# KiCad board noraneko42l.kicad_pcb
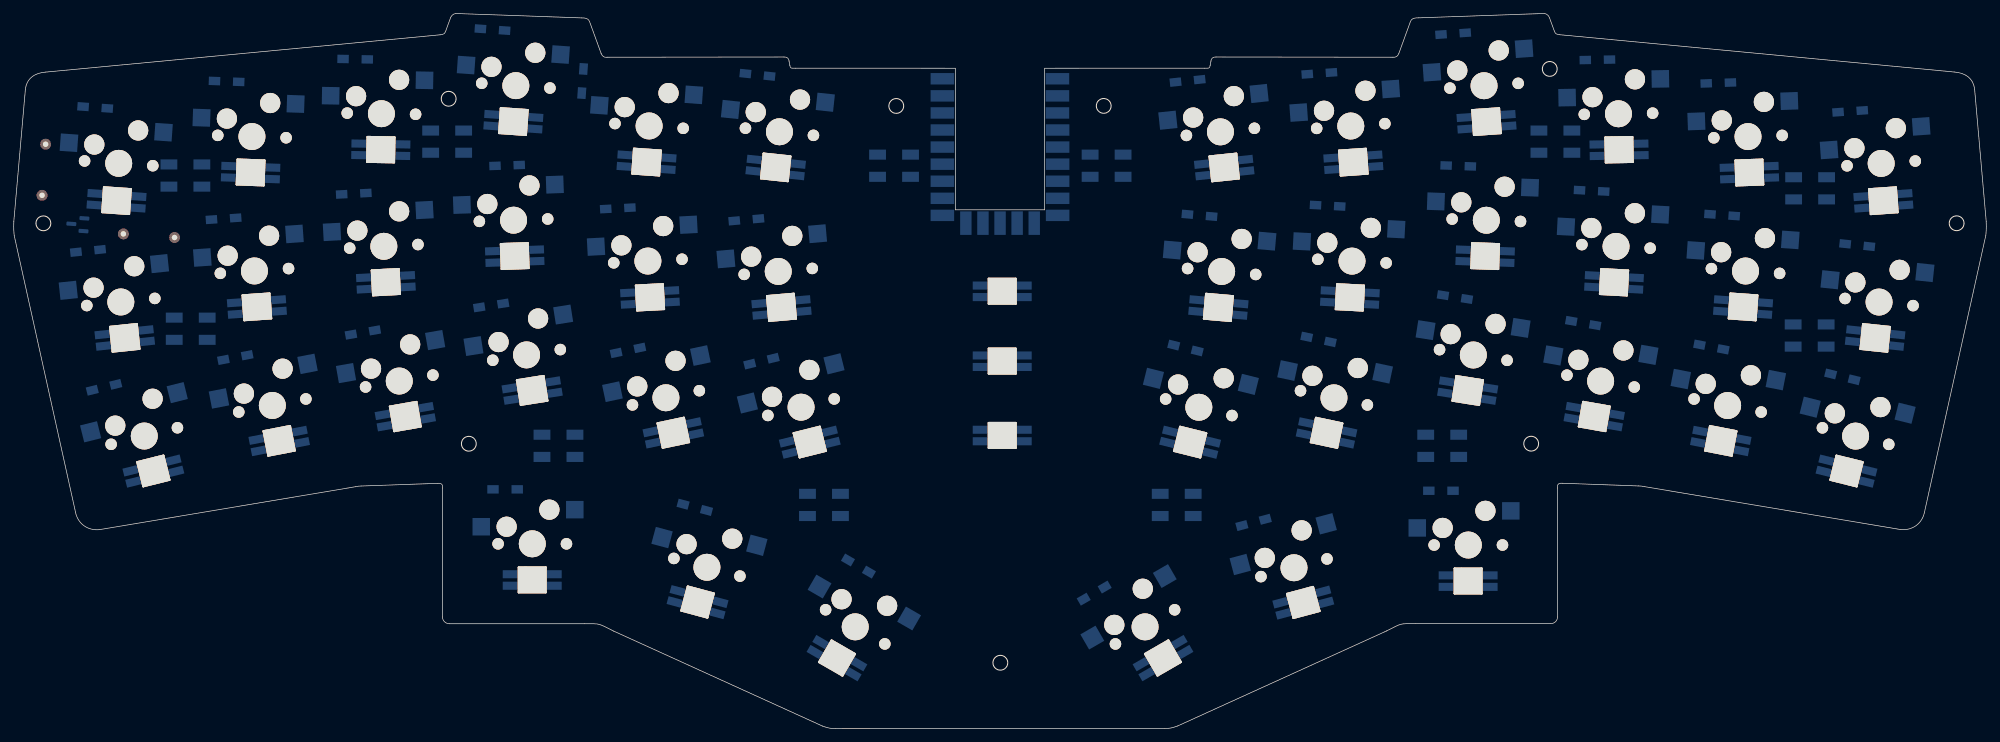
[diagram p0: board, top side]
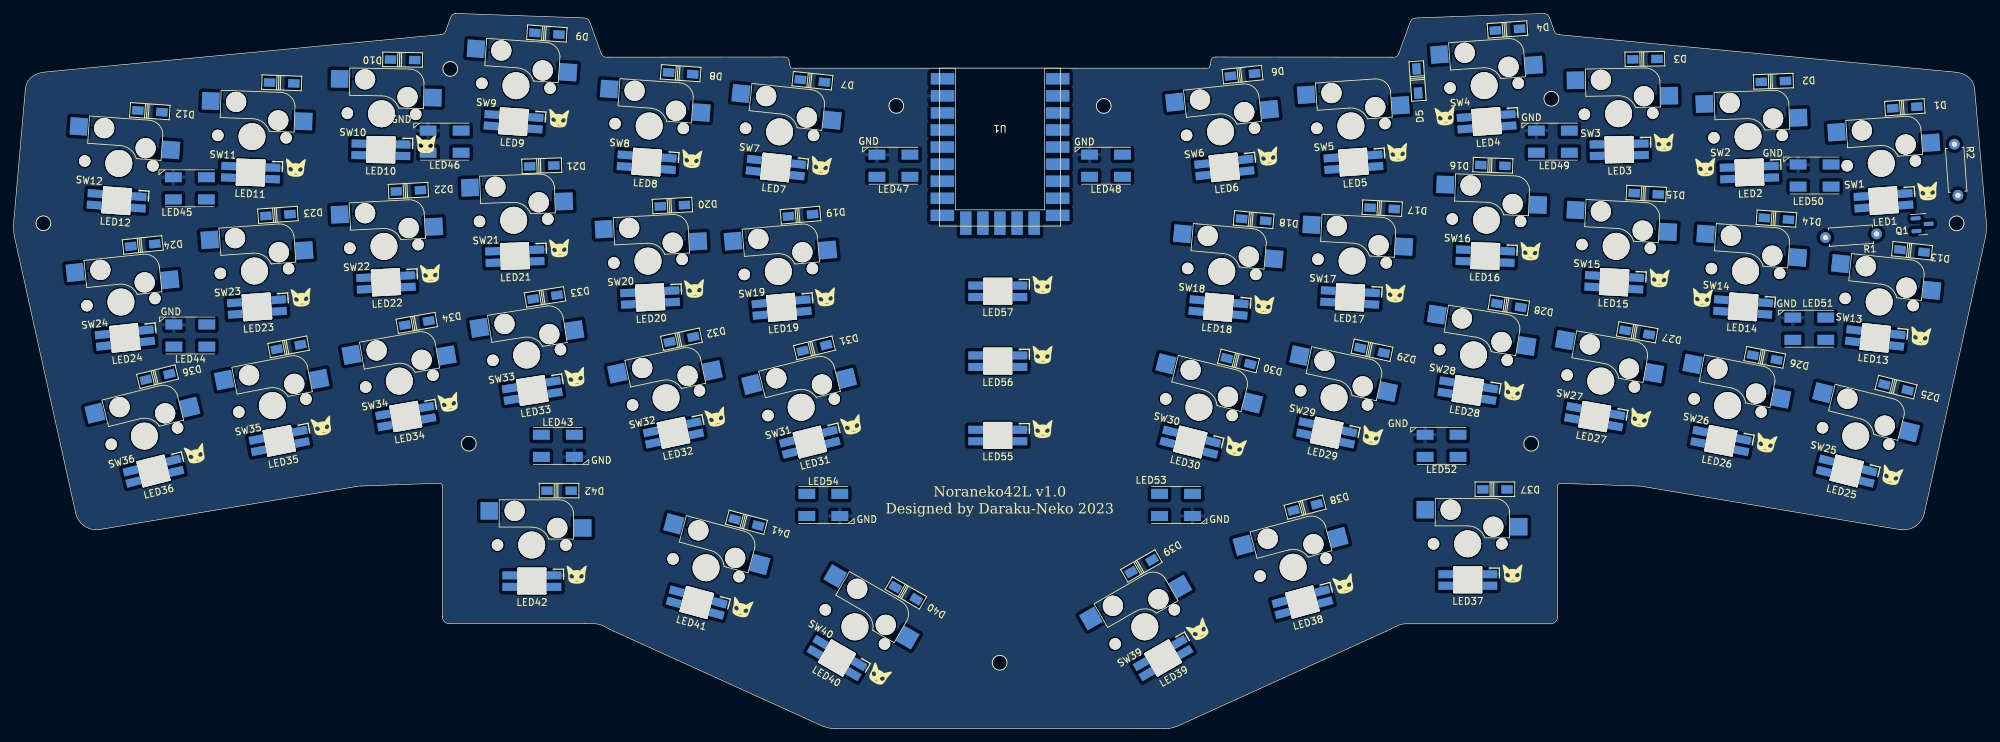
[diagram p1: board, bottom side, seen from below]

Outline 293.21 x 106.38 mm; copper layers: Top, Bottom. Coordinates in mm from the lower left corner of the outline.
Outline path: circle c4.45,75.16 r1.1 ; circle c64.67,93.69 r1.1 ; circle c67.67,42.37 r1.1 ; circle c131.19,92.62 r1.1 ; circle c146.66,9.79 r1.1 ; circle c162.02,92.63 r1.1 ; circle c225.54,42.38 r1.1 ; circle c228.3,98.13 r1.1 ; circle c288.76,75.17 r1.1 ; 1.77,95.07 0.05,75.42 ; 9.24,32.1 0.12,73.31 ; 12.74,29.59 50.8,35.97 ; 51.68,36.08 62.97,36.48 ; 63.41,103.2 4.75,97.65 ; 63.75,16.6 63.77,35.79 ; 64.97,105.78 64.22,103.73 ; 65.71,106.37 84.41,105.72 ; 84.87,15.6 64.75,15.6 ; 87.32,100.47 85.6,105.2 ; 88.2,99.87 114.51,99.9 ; 115.37,98.65 115.25,99.31 ; 120.2,0.38 89.19,14.5 ; 139.97,98.23 116.23,98.23 ; 171.05,0.02 122.15,0.01 ; 176.98,98.23 153.24,98.23 ; 177.96,99.31 177.84,98.65 ; 178.7,99.9 205.01,99.87 ; 204.01,14.51 173,0.39 ; 207.61,105.21 205.89,100.48 ; 208.8,105.73 227.5,106.38 ; 228.45,15.61 208.34,15.61 ; 228.99,103.74 228.24,105.79 ; 229.44,35.8 229.45,16.61 ; 230.24,36.49 241.53,36.09 ; 242.41,35.98 280.47,29.6 ; 288.46,97.66 229.8,103.21 ; 293.09,73.32 283.97,32.11 ; 293.16,75.43 291.44,95.08
Stack: Top 0.035mm / dielectric 1.51mm FR4 er 4.5 / Bottom 0.035mm

## Placement (name value [footprint] x y rotation side)
D1  D  [1N4148W]  12.15 92.39 176 bottom
D2  D  [1N4148W]  31.67 96.27 178 bottom
D3  D  [1N4148W]  50.78 99.58 179 bottom
D4  D  [1N4148W]  71.19 103.97 176 bottom
D5  D  [1N4148W]  84.58 96.33 266 bottom
D6  D  [1N4148W]  110.56 97.25 174 bottom
D7  D  [1N4148W]  174.48 96.35 186 bottom
D8  D  [1N4148W]  194.06 97.47 184 bottom
D9  D  [1N4148W]  213.94 103.37 184 bottom
D10  D  [1N4148W]  235.38 99.48 181 bottom
D11  D  [1N4148W]  253.35 96.04 182 bottom
D12  D  [1N4148W]  272.94 91.82 184 bottom
D13  D  [1N4148W]  11.08 71.06 186 bottom
D14  D  [1N4148W]  31.22 75.84 184 bottom
D15  D  [1N4148W]  50.57 79.56 183 bottom
D16  D  [1N4148W]  73.36 83.77 182 bottom
D17  D  [1N4148W]  89.81 77.39 183 bottom
D18  D  [1N4148W]  108.91 75.68 185 bottom
D19  D  [1N4148W]  176.25 76.35 175 bottom
D20  D  [1N4148W]  195.29 77.78 177 bottom
D21  D  [1N4148W]  214.7 83.7 178 bottom
D22  D  [1N4148W]  234.52 80 177 bottom
D23  D  [1N4148W]  253.91 76.39 176 bottom
D24  D  [1N4148W]  273.99 71.92 174 bottom
D25  D  [1N4148W]  13.46 50.77 194 bottom
D26  D  [1N4148W]  32.96 55.2 191 bottom
D27  D  [1N4148W]  51.92 58.92 190 bottom
D28  D  [1N4148W]  70.99 62.95 189 bottom
D29  D  [1N4148W]  91.32 56.26 192 bottom
D30  D  [1N4148W]  111.16 54.66 194 bottom
D31  D  [1N4148W]  174.17 56.61 166 bottom
D32  D  [1N4148W]  193.94 57.89 168 bottom
D33  D  [1N4148W]  214.21 64.19 171 bottom
D34  D  [1N4148W]  233.27 60.32 170 bottom
D35  D  [1N4148W]  252.32 56.76 169 bottom
D36  D  [1N4148W]  271.79 52.32 166 bottom
D37  D  [1N4148W]  73.06 35.58 180 bottom
D38  D  [1N4148W]  101.25 32.91 165 bottom
D39  D  [1N4148W]  125.57 24.17 150 bottom
D40  D  [1N4148W]  160.6 20.15 210 bottom
D41  D  [1N4148W]  184.29 30.67 195 bottom
D42  D  [1N4148W]  212.13 35.38 180 bottom
LED1  SK6812MINI-E  [SK6812MINI-E#2]  15.32 78.53 356 bottom
LED2  -  [SK6812MINI-E]  35.24 82.72 358 bottom
LED3  -  [SK6812MINI-E]  54.59 86.12 359 bottom
LED4  SK6812MINI-E  [SK6812MINI-E#2]  74.29 90.29 356 bottom
LED5  SK6812MINI-E  [SK6812MINI-E#2]  94.08 84.27 356 bottom
LED6  -  [SK6812MINI-E]  113.27 83.48 354 bottom
LED7  -  [SK6812MINI-E]  179.92 83.47 6 bottom
LED8  SK6812MINI-E  [SK6812MINI-E#2]  199.11 84.26 4 bottom
LED9  SK6812MINI-E  [SK6812MINI-E#2]  218.9 90.28 4 bottom
LED10  -  [SK6812MINI-E]  238.6 86.11 1 bottom
LED11  -  [SK6812MINI-E]  257.96 82.71 2 bottom
LED12  SK6812MINI-E  [SK6812MINI-E#2]  277.87 78.52 4 bottom
LED13  -  [SK6812MINI-E]  16.54 58.12 6 bottom
LED14  SK6812MINI-E  [SK6812MINI-E#2]  36.17 62.73 4 bottom
LED15  -  [SK6812MINI-E]  55.34 66.4 3 bottom
LED16  -  [SK6812MINI-E]  74.49 70.29 2 bottom
LED17  -  [SK6812MINI-E]  94.59 64.15 3 bottom
LED18  -  [SK6812MINI-E]  114.13 62.66 5 bottom
LED19  -  [SK6812MINI-E]  179.06 62.65 355 bottom
LED20  -  [SK6812MINI-E]  198.6 64.14 357 bottom
LED21  -  [SK6812MINI-E]  218.7 70.28 358 bottom
LED22  -  [SK6812MINI-E]  237.85 66.39 357 bottom
LED23  SK6812MINI-E  [SK6812MINI-E#2]  257.03 62.72 356 bottom
LED24  -  [SK6812MINI-E]  276.65 58.11 354 bottom
LED25  -  [SK6812MINI-E]  20.79 38.32 14 bottom
LED26  -  [SK6812MINI-E]  39.48 42.8 11 bottom
LED27  -  [SK6812MINI-E]  58.23 46.41 10 bottom
LED28  -  [SK6812MINI-E]  77.08 50.3 9 bottom
LED29  -  [SK6812MINI-E]  98.06 44 12 bottom
LED30  -  [SK6812MINI-E]  118.33 42.62 14 bottom
LED31  -  [SK6812MINI-E]  174.86 42.61 346 bottom
LED32  -  [SK6812MINI-E]  195.13 43.99 348 bottom
LED33  -  [SK6812MINI-E]  216.11 50.29 351 bottom
LED34  -  [SK6812MINI-E]  234.91 46.42 350 bottom
LED35  -  [SK6812MINI-E]  253.72 42.79 349 bottom
LED36  -  [SK6812MINI-E]  272.4 38.31 346 bottom
LED37  -  [SK6812MINI-E]  77.09 22.12 0 bottom
LED38  -  [SK6812MINI-E]  101.66 18.82 345 bottom
LED39  -  [SK6812MINI-E]  122.38 10.49 330 bottom
LED40  -  [SK6812MINI-E]  170.82 10.5 30 bottom
LED41  -  [SK6812MINI-E]  191.67 18.76 15 bottom
LED42  -  [SK6812MINI-E]  216.17 21.95 0 bottom
LED43  SK6812MINI-E  [WS2812B_PLCC4_5.0x5.0mm]  212.32 42.06 180 bottom
LED44  SK6812MINI-E  [WS2812B_PLCC4_5.0x5.0mm]  266.92 58.47 0 bottom
LED45  SK6812MINI-E  [WS2812B_PLCC4_5.0x5.0mm]  266.99 80.37 0 bottom
LED46  SK6812MINI-E  [WS2812B_PLCC4_5.0x5.0mm]  229.14 87.31 0 bottom
LED47  SK6812MINI-E  [WS2812B_PLCC4_5.0x5.0mm]  162.45 83.73 0 bottom
LED48  SK6812MINI-E  [WS2812B_PLCC4_5.0x5.0mm]  130.86 83.73 0 bottom
LED49  SK6812MINI-E  [WS2812B_PLCC4_5.0x5.0mm]  64.45 87.31 0 bottom
LED50  SK6812MINI-E  [WS2812B_PLCC4_5.0x5.0mm]  25.55 82.27 0 bottom
LED51  SK6812MINI-E  [WS2812B_PLCC4_5.0x5.0mm]  26.34 59.48 0 bottom
LED52  SK6812MINI-E  [WS2812B_PLCC4_5.0x5.0mm]  80.99 42.06 0 bottom
LED53  SK6812MINI-E  [WS2812B_PLCC4_5.0x5.0mm]  120.44 33.27 180 bottom
LED54  SK6812MINI-E  [WS2812B_PLCC4_5.0x5.0mm]  172.86 33.27 180 bottom
LED55  -  [SK6812MINI-E]  146.93 43.61 0 bottom
LED56  -  [SK6812MINI-E]  146.93 54.66 0 bottom
LED57  -  [SK6812MINI-E]  146.93 65.06 0 bottom
Q1  BSS138  [SOT-23]  9.54 75.02 176 bottom
R1  10K  [R_Axial_DIN0207_L6.3mm_D2.5mm_P7.62mm_Horizontal]  16.34 73.58 356 bottom
R2  10K  [R_Axial_DIN0207_L6.3mm_D2.5mm_P7.62mm_Horizontal]  4.78 86.93 266 bottom
SW1  SW_Push  [MX_Socket]  15.64 84.08 356 top
SW2  SW_Push  [MX_Socket]  35.44 88.07 358 top
SW3  SW_Push  [MX_Socket]  54.68 91.47 359 top
SW4  SW_Push  [MX_Socket]  74.66 95.64 356 top
SW5  SW_Push  [MX_Socket]  94.46 89.65 356 top
SW6  SW_Push  [MX_Socket]  113.83 88.78 354 top
SW7  SW_Push  [MX_Socket]  179.36 88.77 6 top
SW8  SW_Push  [MX_Socket]  198.73 89.63 4 top
SW9  SW_Push  [MX_Socket]  218.54 95.63 4 top
SW10  SW_Push  [MX_Socket]  238.51 91.46 1 top
SW11  SW_Push  [MX_Socket]  257.76 88.06 2 top
SW12  SW_Push  [MX_Socket]  277.55 84.07 4 top
SW13  SW_Push  [MX_Socket]  15.95 63.46 6 top
SW14  SW_Push  [MX_Socket]  35.81 68.07 4 top
SW15  SW_Push  [MX_Socket]  55.04 71.74 3 top
SW16  SW_Push  [MX_Socket]  74.32 75.63 2 top
SW17  SW_Push  [MX_Socket]  94.28 69.55 3 top
SW18  SW_Push  [MX_Socket]  113.65 68 5 top
SW19  SW_Push  [MX_Socket]  179.54 67.99 355 top
SW20  SW_Push  [MX_Socket]  198.91 69.54 357 top
SW21  SW_Push  [MX_Socket]  218.87 75.62 358 top
SW22  SW_Push  [MX_Socket]  238.15 71.73 357 top
SW23  SW_Push  [MX_Socket]  257.39 68.07 356 top
SW24  SW_Push  [MX_Socket]  277.24 63.45 354 top
SW25  SW_Push  [MX_Socket]  19.44 43.52 14 top
SW26  SW_Push  [MX_Socket]  38.47 48.06 11 top
SW27  SW_Push  [MX_Socket]  57.33 51.7 10 top
SW28  SW_Push  [MX_Socket]  76.25 55.58 9 top
SW29  SW_Push  [MX_Socket]  96.96 49.21 12 top
SW30  SW_Push  [MX_Socket]  117.04 47.81 14 top
SW31  SW_Push  [MX_Socket]  176.15 47.8 346 top
SW32  SW_Push  [MX_Socket]  196.23 49.2 348 top
SW33  SW_Push  [MX_Socket]  216.94 55.57 351 top
SW34  SW_Push  [MX_Socket]  235.86 51.69 350 top
SW35  SW_Push  [MX_Socket]  254.73 48.05 349 top
SW36  SW_Push  [MX_Socket]  273.75 43.51 346 top
SW37  SW_Push  [MX_Socket_1.25U]  77.1 27.48 0 top
SW38  SW_Push  [MX_Socket_1.25U]  103.05 23.99 345 top
SW39  SW_Push  [MX_Socket]  125.09 15.13 330 top
SW40  SW_Push  [MX_Socket]  168.16 15.13 30 top
SW41  SW_Push  [MX_Socket_1.25U]  190.29 23.92 15 top
SW42  SW_Push  [MX_Socket_1.25U]  216.2 27.3 0 top
U1  RP2040-Zero  [RP2040-Zero-SMD]  146.61 87.25 180 bottom

## Library data of the parts
D1-D42 = -: Description: Diode, small symbol; LCSC: C81598; Sim.Pins: 1=K 2=A
LED43-LED45 = -: Field5: 1
LED46-LED54 = -: LCSC: C2843785; Field5: 1
LED57 = -: LCSC: C2843785
Q1 = -: Description: 50V Vds, 0.22A Id, N-Channel MOSFET, SOT-23; LCSC: C2874697
R1 R2 = -: Description: Resistor
SW1-SW42 = -: Description: Push button switch, generic, two pins

## Footprints (pads in the part's own frame, mm; a bottom-side part is the same pattern mirrored in y, then rotated)
1N4148W
  rect 1.7x1.25 smd: 1(-1.8,0) 2(1.8,0)
MX_Socket
  round 1.7 hole 1.7 unplated: (-5.081,-0.001) (5.079,-0.001)
  round 3 hole 3 unplated: (-3.811,2.539) (2.539,5.079)
  round 4 hole 4 unplated: (0,0)
  rect 2.6x2.6 smd far side: 1(6.314,5.079) 2(-7.586,2.539)
MX_Socket_1.25U
  round 1.7 hole 1.7 unplated: (-5.081,-0.001) (5.079,-0.001)
  round 3 hole 3 unplated: (-3.811,2.539) (2.539,5.079)
  round 4 hole 4 unplated: (0,0)
  rect 2.6x2.6 smd far side: 1(6.314,5.079) 2(-7.586,2.539)
R_Axial_DIN0207_L6.3mm_D2.5mm_P7.62mm_Horizontal
  round 1.6 hole 0.8: 1(0,0)
  oval 1.6x1.6 hole 0.8: 2(7.62,0)
RP2040-Zero-SMD
  rect 3.5x1.7 smd: 0(9.47,9.41) 1(9.47,6.87) 2(9.47,4.33) 3(9.47,1.79) 4(9.47,-0.75) 5(9.47,-3.29) 6(9.47,-5.83) 7(9.47,-8.37) 8(9.47,-10.91) 14(-9.46,-10.91) 15(-9.46,-8.37) 26(-9.46,-5.83) 27(-9.46,-3.29) 28(-9.46,-0.75) 29(-9.46,1.79) 30(-9.43,4.33) 31(-9.43,6.87) 32(-9.43,9.41)
  rect 1.7x3.5 smd: 9(5.08,-12.96) 10(2.54,-12.96) 11(0,-12.96) 12(-2.54,-12.96) 13(-5.08,-12.96)
SK6812MINI-E
  oval 0.3x4 hole 0.3x4 unplated: (-2,0) (2,0)
  oval 1x3.8 hole 1x3.8 unplated: (-1.47,0) (-1,-0.05) (-0.43,-0.01) (0.3,-0.02) (0.93,-0.02) (1.5,0.02)
  oval 4.3x0.3 hole 4.3x0.3 unplated: (0,-1.86) (0,1.85)
  rect 2.2x1.2 smd: 1(3.28,0.87) 2(3.28,-0.843) 3(-3.28,-0.843) 4(-3.28,0.87)
SK6812MINI-E#2
  oval 0.3x4 hole 0.3x4 unplated: (-2,0) (2,0)
  oval 1x3.8 hole 1x3.8 unplated: (-1.47,0) (-1,-0.05) (-0.43,-0.01) (0.3,-0.02) (0.93,-0.02) (1.5,0.02)
  oval 4.3x0.3 hole 4.3x0.3 unplated: (0,-1.86) (0,1.85)
  rect 2.2x1.2 smd: 1(3.28,0.87) 2(3.28,-0.843) 3(-3.28,-0.843) 4(-3.28,0.87)
SOT-23
  rrect 1.475x0.6 smd: 1(-0.938,0.95) 2(-0.938,-0.95) 3(0.938,0)
WS2812B_PLCC4_5.0x5.0mm
  rect 2.5x1.5 smd: 1(-2.45,1.65) 2(-2.45,-1.65) 3(2.45,-1.65) 4(2.45,1.65)

## Nets
+3.3V: Q1.1 R1.1 U1.30
+5V: LED1.1 LED2.1 LED3.1 LED4.1 LED5.1 LED6.1 LED7.1 LED8.1 LED9.1 LED10.1 LED11.1 LED12.1 LED13.1 LED14.1 LED15.1 LED16.1 LED17.1 LED18.1 LED19.1 LED20.1 LED21.1 LED22.1 LED23.1 LED24.1 LED25.1 LED26.1 LED27.1 LED28.1 LED29.1 LED30.1 LED31.1 LED32.1 LED33.1 LED34.1 LED35.1 LED36.1 LED37.1 LED38.1 LED39.1 LED40.1 LED41.1 LED42.1 LED43.1 LED44.1 LED45.1 LED46.1 LED47.1 LED48.1 LED49.1 LED50.1 LED51.1 LED52.1 LED53.1 LED54.1 LED55.1 LED56.1 LED57.1 R2.1 U1.32
GND: LED1.3 LED2.3 LED3.3 LED4.3 LED5.3 LED6.3 LED7.3 LED8.3 LED9.3 LED10.3 LED11.3 LED12.3 LED13.3 LED14.3 LED15.3 LED16.3 LED17.3 LED18.3 LED19.3 LED20.3 LED21.3 LED22.3 LED23.3 LED24.3 LED25.3 LED26.3 LED27.3 LED28.3 LED29.3 LED30.3 LED31.3 LED32.3 LED33.3 LED34.3 LED35.3 LED36.3 LED37.3 LED38.3 LED39.3 LED40.3 LED41.3 LED42.3 LED43.3 LED44.3 LED45.3 LED46.3 LED47.3 LED48.3 LED49.3 LED50.3 LED51.3 LED52.3 LED53.3 LED54.3 LED55.3 LED56.3 LED57.3 U1.31
COL0: SW1.1 SW13.1 SW25.1 U1.1
COL1: SW2.1 SW14.1 SW26.1 U1.2
COL2: SW3.1 SW15.1 SW27.1 U1.3
COL3: SW4.1 SW16.1 SW28.1 SW37.1 U1.4
COL4: SW5.1 SW17.1 SW29.1 SW38.1 U1.5
COL5: SW6.1 SW18.1 SW30.1 SW39.1 U1.6
COL6: SW7.1 SW19.1 SW31.1 SW40.1 U1.7
COL7: SW8.1 SW20.1 SW32.1 SW41.1 U1.8
COL8: SW9.1 SW21.1 SW33.1 SW42.1 U1.9
COL9: SW10.1 SW22.1 SW34.1 U1.10
COL10: SW11.1 SW23.1 SW35.1 U1.11
COL11: SW12.1 SW24.1 SW36.1 U1.12
LED3.3V: Q1.2 R1.2 U1.0
LED5V: LED1.4 Q1.3 R2.2
ROW0: D1.1 D2.1 D3.1 D4.1 D5.1 D6.1 D7.1 D8.1 D9.1 D10.1 D11.1 D12.1 U1.15
ROW1: D13.1 D14.1 D15.1 D16.1 D17.1 D18.1 D19.1 D20.1 D21.1 D22.1 D23.1 D24.1 U1.26
ROW2: D25.1 D26.1 D27.1 D28.1 D29.1 D30.1 D31.1 D32.1 D33.1 D34.1 D35.1 D36.1 U1.27
ROW3: D37.1 D38.1 D39.1 D40.1 D41.1 D42.1 U1.28
Net-(D1-A): D1.2 SW1.2
Net-(D2-A): D2.2 SW2.2
Net-(D3-A): D3.2 SW3.2
Net-(D4-A): D4.2 SW4.2
Net-(D5-A): D5.2 SW5.2
Net-(D6-A): D6.2 SW6.2
Net-(D7-A): D7.2 SW7.2
Net-(D8-A): D8.2 SW8.2
Net-(D9-A): D9.2 SW9.2
Net-(D10-A): D10.2 SW10.2
Net-(D11-A): D11.2 SW11.2
Net-(D12-A): D12.2 SW12.2
Net-(D13-A): D13.2 SW13.2
Net-(D14-A): D14.2 SW14.2
Net-(D15-A): D15.2 SW15.2
Net-(D16-A): D16.2 SW16.2
Net-(D17-A): D17.2 SW17.2
Net-(D18-A): D18.2 SW18.2
Net-(D19-A): D19.2 SW19.2
Net-(D20-A): D20.2 SW20.2
Net-(D21-A): D21.2 SW21.2
Net-(D22-A): D22.2 SW22.2
Net-(D23-A): D23.2 SW23.2
Net-(D24-A): D24.2 SW24.2
Net-(D25-A): D25.2 SW25.2
Net-(D26-A): D26.2 SW26.2
Net-(D27-A): D27.2 SW27.2
Net-(D28-A): D28.2 SW28.2
Net-(D29-A): D29.2 SW29.2
Net-(D30-A): D30.2 SW30.2
Net-(D31-A): D31.2 SW31.2
Net-(D32-A): D32.2 SW32.2
Net-(D33-A): D33.2 SW33.2
Net-(D34-A): D34.2 SW34.2
Net-(D35-A): D35.2 SW35.2
Net-(D36-A): D36.2 SW36.2
Net-(D37-A): D37.2 SW37.2
Net-(D38-A): D38.2 SW38.2
Net-(D39-A): D39.2 SW39.2
Net-(D40-A): D40.2 SW40.2
Net-(D41-A): D41.2 SW41.2
Net-(D42-A): D42.2 SW42.2
Net-(LED1-DOUT): LED1.2 LED2.4
Net-(LED2-DOUT): LED2.2 LED3.4
Net-(LED3-DOUT): LED3.2 LED4.4
Net-(LED4-DOUT): LED4.2 LED5.4
Net-(LED5-DOUT): LED5.2 LED6.4
Net-(LED6-DOUT): LED6.2 LED7.4
Net-(LED7-DOUT): LED7.2 LED8.4
Net-(LED8-DOUT): LED8.2 LED9.4
Net-(LED10-DIN): LED9.2 LED10.4
Net-(LED10-DOUT): LED10.2 LED11.4
Net-(LED11-DOUT): LED11.2 LED12.4
Net-(LED12-DOUT): LED12.2 LED13.4
Net-(LED13-DOUT): LED13.2 LED14.4
Net-(LED14-DOUT): LED14.2 LED15.4
Net-(LED15-DOUT): LED15.2 LED16.4
Net-(LED16-DOUT): LED16.2 LED17.4
Net-(LED17-DOUT): LED17.2 LED18.4
Net-(LED18-DOUT): LED18.2 LED19.4
Net-(LED19-DOUT): LED19.2 LED20.4
Net-(LED20-DOUT): LED20.2 LED21.4
Net-(LED21-DOUT): LED21.2 LED22.4
Net-(LED22-DOUT): LED22.2 LED23.4
Net-(LED23-DOUT): LED23.2 LED24.4
Net-(LED24-DOUT): LED24.2 LED25.4
Net-(LED25-DOUT): LED25.2 LED26.4
Net-(LED26-DOUT): LED26.2 LED27.4
Net-(LED27-DOUT): LED27.2 LED28.4
Net-(LED28-DOUT): LED28.2 LED29.4
Net-(LED29-DOUT): LED29.2 LED30.4
Net-(LED30-DOUT): LED30.2 LED31.4
Net-(LED31-DOUT): LED31.2 LED32.4
Net-(LED32-DOUT): LED32.2 LED33.4
Net-(LED33-DOUT): LED33.2 LED34.4
Net-(LED34-DOUT): LED34.2 LED35.4
Net-(LED35-DOUT): LED35.2 LED36.4
Net-(LED36-DOUT): LED36.2 LED37.4
Net-(LED37-DOUT): LED37.2 LED38.4
Net-(LED38-DOUT): LED38.2 LED39.4
Net-(LED39-DOUT): LED39.2 LED40.4
Net-(LED40-DOUT): LED40.2 LED41.4
Net-(LED41-DOUT): LED41.2 LED42.4
Net-(LED42-DOUT): LED42.2 LED43.4
Net-(LED43-DOUT): LED43.2 LED44.4
Net-(LED44-DOUT): LED44.2 LED45.4
Net-(LED45-DOUT): LED45.2 LED46.4
Net-(LED46-DOUT): LED46.2 LED47.4
Net-(LED47-DOUT): LED47.2 LED48.4
Net-(LED48-DOUT): LED48.2 LED49.4
Net-(LED49-DOUT): LED49.2 LED50.4
Net-(LED50-DOUT): LED50.2 LED51.4
Net-(LED51-DOUT): LED51.2 LED52.4
Net-(LED52-DOUT): LED52.2 LED53.4
Net-(LED53-DOUT): LED53.2 LED54.4
Net-(LED54-DOUT): LED54.2 LED55.4
Net-(LED55-DOUT): LED55.2 LED56.4
Net-(LED56-DOUT): LED56.2 LED57.4

Pads without a net: LED57 2; U1 13 14 29

## Copper pours and planes (outline as drawn; the poured copper is in the pictures)
GND on Top, Bottom: 291.45,97.57 293.71,74.27 285.26,31.78 282.03,28.5 230.16,36.02 230.19,14.89 206.63,15 172.16,-0.35 120.93,-0.7 86.39,14.82 63.37,15.06 63.09,35.64 10.22,27.79 7.75,33.25 -0.49,73.95 1.89,97.65 63.65,103.55 65.14,106.81 85.78,105.9 87.88,100.21 117.56,100.25 205.17,100.37 207.5,106.23 228.78,106.75 229.6,104.02

## Text on the board
B.Silkscreen: Noraneko42L v1.0 / Designed by Daraku-Neko 2023
